# Altium PCB OCP-TimeCardMini-TI_V1.PcbDoc (part 1 of 11) (continued)
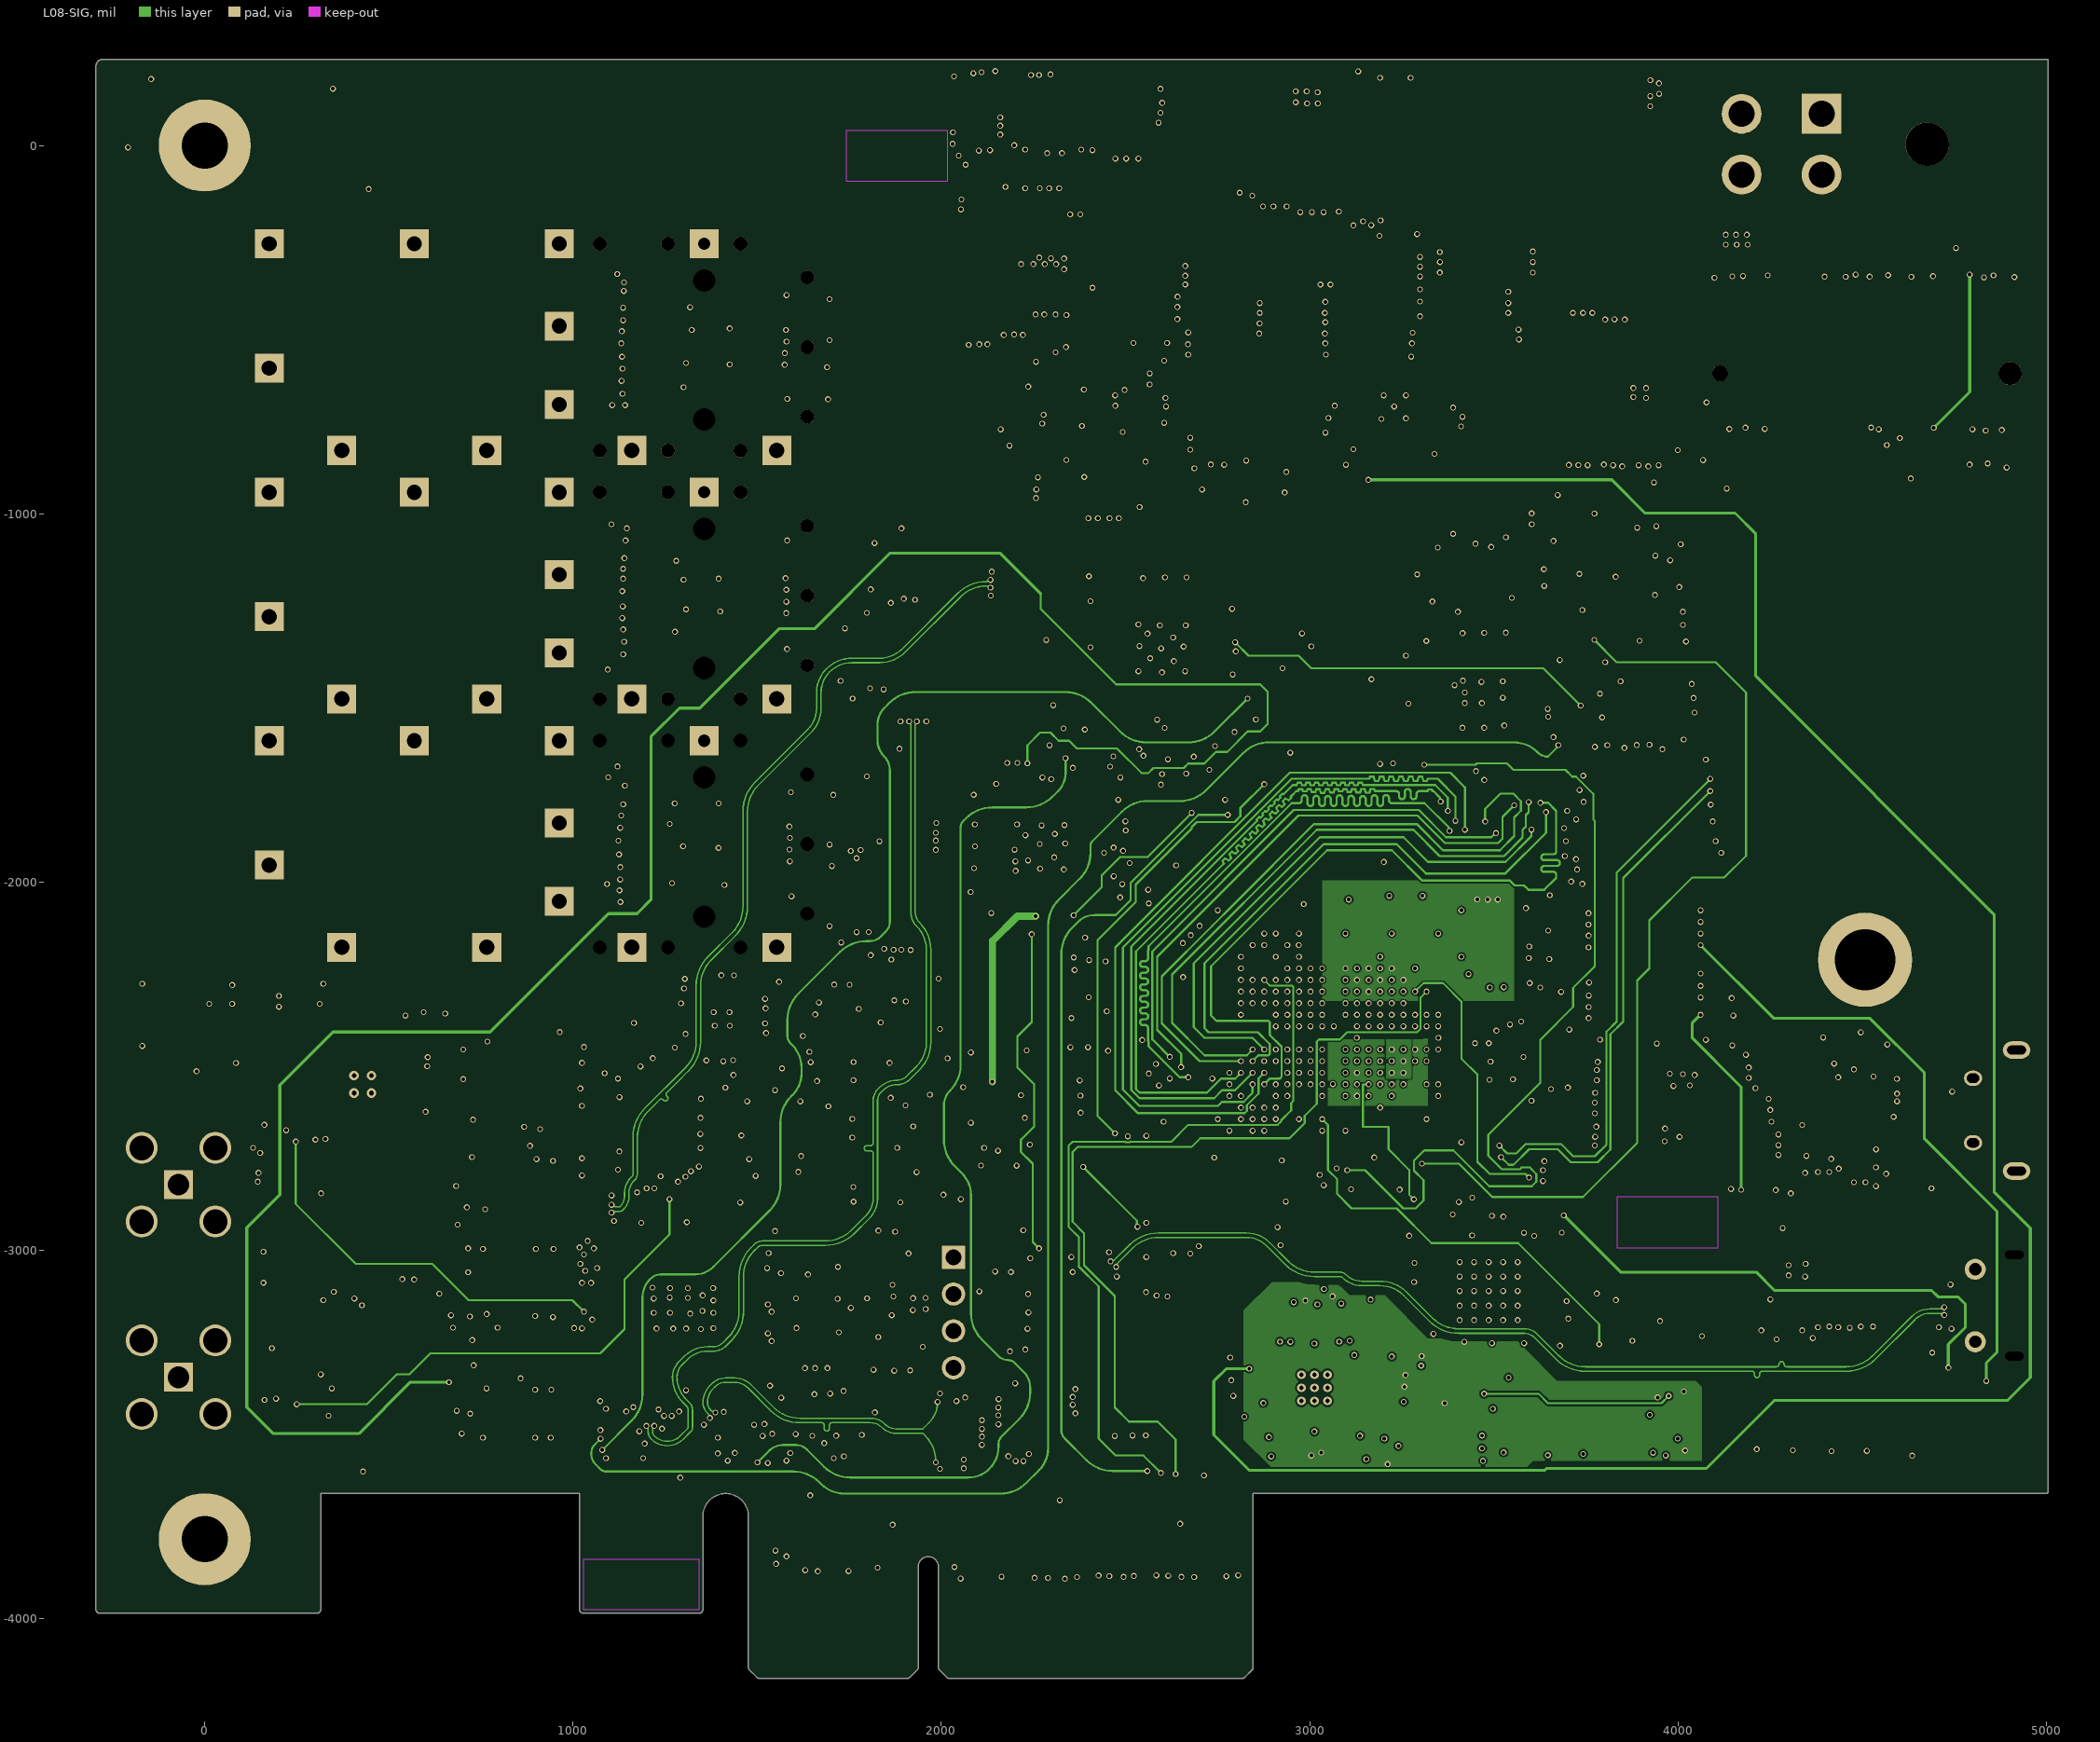
[diagram p8: L08-SIG]
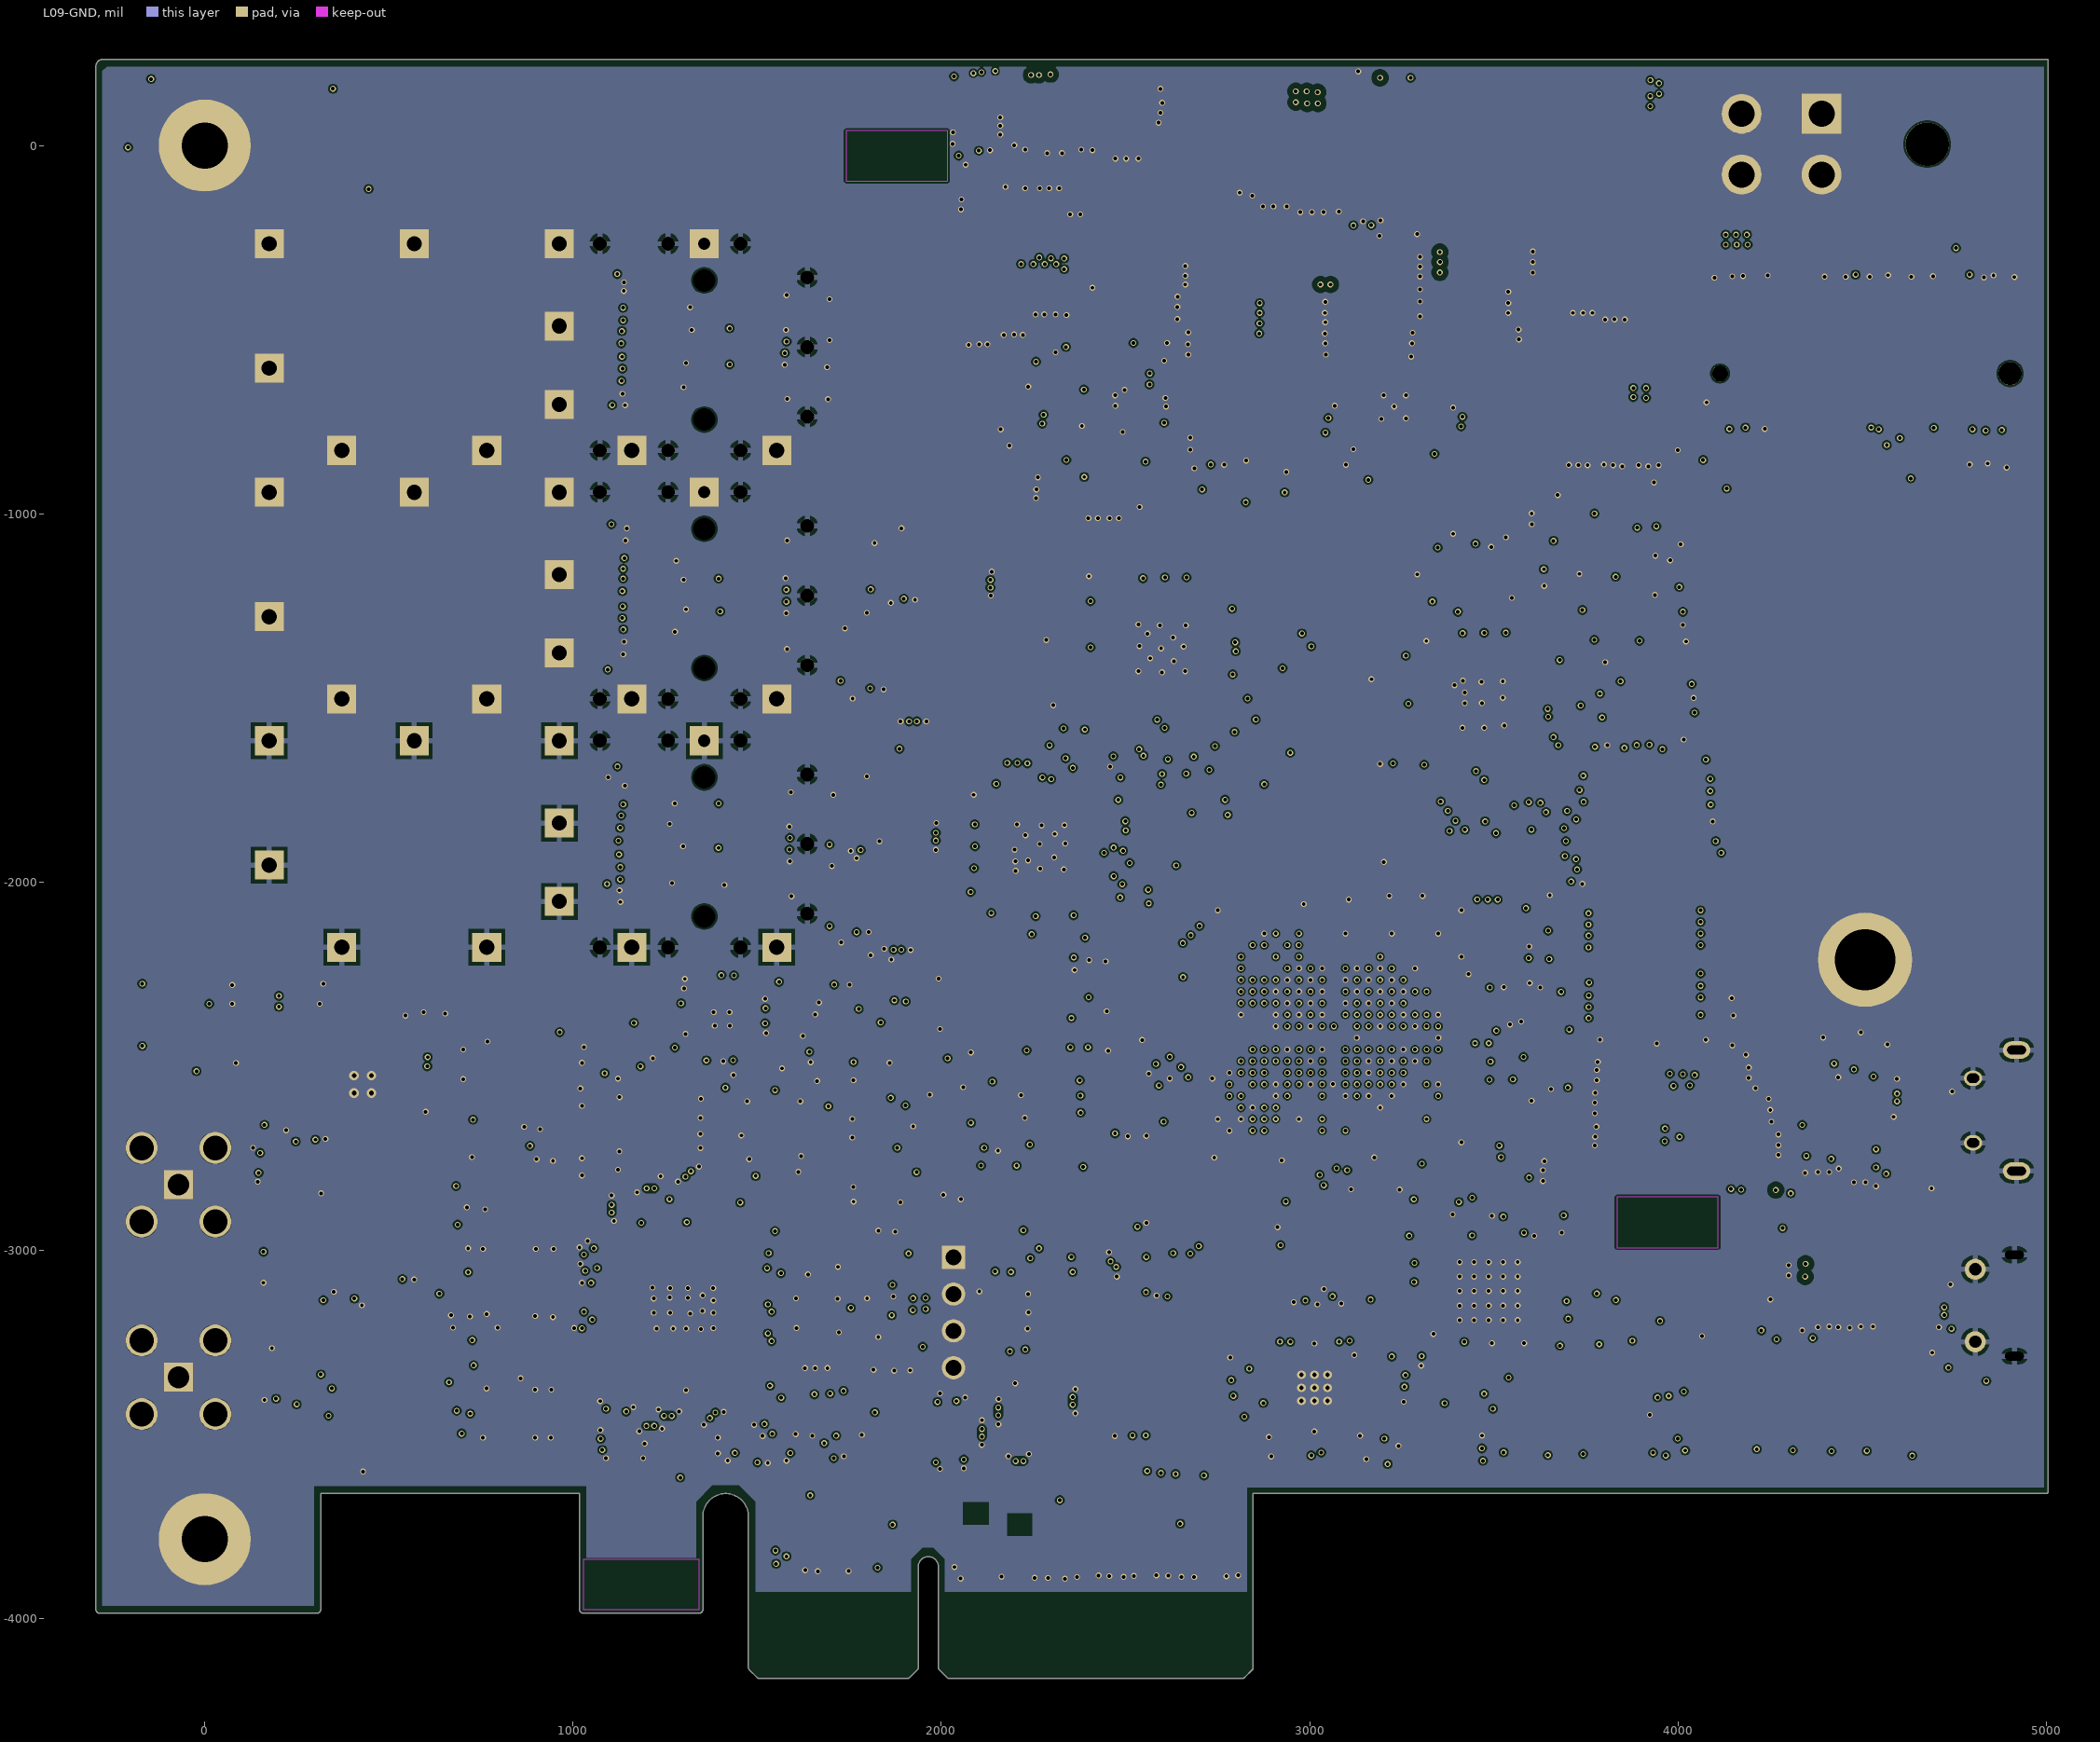
[diagram p9: L09-GND]

## Layer stack, top to bottom
Top Solder: solder mask 0.4, Solder Resist, Dk 3.5
L01-TOP: signal copper 1.378
Dielectric 1: prepreg 4.724, FR-4, Dk 4.29
L02-GND: signal copper 1.378
Dielectric 2: core 7.874, PP-006, Dk 4.29
L03-SIG: signal copper 1.378
Dielectric 5: prepreg 7.48, PP-006, Dk 4.29
L04-GND: signal copper 1.378
Dielectric 7: core 7.874, PP-006, Dk 4.29
L05-PWR: signal copper 1.378
Dielectric3: prepreg 7.48, FR-4, Dk 4.29
L06-PWR: signal copper 1.378
Dielectric 8: core 7.874, PP-006, Dk 4.29
L07-GND: signal copper 1.378
Dielectric 6: prepreg 7.48, PP-006, Dk 4.29
L08-SIG: signal copper 1.378
Dielectric 4: core 7.874, PP-006, Dk 4.29
L09-GND: signal copper 1.378
Dielectric 3: prepreg 4.724, FR-4, Dk 4.29
L10-BOT: signal copper 1.378
Board Layer Stack Bottom Solder: solder mask 0.4, Solder Resist, Dk 3.5

## Board outline
1017.54,-3974.9 ccw(c1027.56,-3974.9) 1027.56,-3984.91 1342.52,-3984.91 ccw(c1342.52,-3974.9) 1352.54,-3974.9 1352.54,-3721.94 cw(c1414.37,-3721.94) 1476.2,-3721.94 1476.2,-3721.99 1476.2,-4132.38 ccw(c1486.22,-4132.38) 1479.14,-4139.46 1498.82,-4159.15 ccw(c1505.91,-4152.06) 1505.91,-4162.08 1907.48,-4162.08 ccw(c1907.48,-4152.06) 1914.56,-4159.15 1934.25,-4139.46 ccw(c1927.17,-4132.38) 1937.18,-4132.38 1937.18,-3858.76 cw(c1964.57,-3858.76) 1991.95,-3858.76 1991.95,-4132.38 ccw(c2001.97,-4132.38) 1994.89,-4139.46 2014.57,-4159.15 ccw(c2021.65,-4152.06) 2021.65,-4162.08 2816.93,-4162.08 ccw(c2816.93,-4152.06) 2824.01,-4159.15 2843.7,-4139.46 ccw(c2836.61,-4132.38) 2846.63,-4132.38 2846.63,-3660.11 5000,-3660.11 ccw(c5000,-3655.1) 5005.01,-3655.1 5005.01,233.94 -277.05,233.94 ccw(c-277.05,215.54) -295.45,215.54 -295.45,-3974.9 ccw(c-285.43,-3974.9) -285.43,-3984.91 305.12,-3984.91 ccw(c305.12,-3974.9) 315.13,-3974.9 315.13,-3660.11 1017.54,-3660.11

## Design rules (kind name [scope] priority, off if disabled: settings)
BoardOutlineClearance [All] p1: gap=12 ignorepadtopadclearanceinfootprint=FALSE
Clearance Clearance_BGA_1 [WithinRoom('BGA_Room')] p1: gap=4 ignorepadtopadclearanceinfootprint=FALSE
Clearance Clearance_12V [InNet('+12V') OR InNet('+12V_PCIE') OR InNet('P12V')] p2: gap=15 ignorepadtopadclearanceinfootprint=TRUE
Clearance DiffPairClearance [(InDifferentialPairClass('All Differential Pairs'))] p3: gap=5 ignorepadtopadclearanceinfootprint=TRUE except(20: Arc-Fill Arc-Poly Arc-Region Track-Fill Track-Poly Track-Region)
Clearance Clearance_PCIE [InDifferentialPairClass('PCIE')] p4: gap=5 ignorepadtopadclearanceinfootprint=FALSE
Clearance [All] p5: gap=5 ignorepadtopadclearanceinfootprint=TRUE
ComponentClearance [All] p1: gap=10 collisioncheckmode=3 verticalgap=2 showdistances=FALSE
DiffPairsRouting DiffPair_100ohm [InDifferentialPairClass('All Differential Pairs')] p1: maxlimit=10 minlimit=3.91 mostfreqgap=5.5 toplayer_mingap=5.49 toplayer_maxgap=5.49 toplayer_prefgap=5.49 toplayer_minwidth=6 toplayer_maxwidth=6 toplayer_prefwidth=6 midlayer2_mingap=8.05 midlayer2_maxgap=8.05 midlayer2_prefgap=8.05 midlayer2_minwidth=4 midlayer2_maxwidth=4 midlayer2_prefwidth=4 midlayer8_mingap=8.05 midlayer8_maxgap=8.05 midlayer8_prefgap=8.05 midlayer8_minwidth=4 midlayer8_maxwidth=4 midlayer8_prefwidth=4 bottomlayer_mingap=5.49 bottomlayer_maxgap=5.49 bottomlayer_prefgap=5.49 bottomlayer_minwidth=6 bottomlayer_maxwidth=6 bottomlayer_prefwidth=6 impedanceprofiledriven=TRUE impedanceprofileid={54E60DE2-01EA-496C-94D2-6AE08175C5F2} impedanceprofilevalue=100.000000 maxuncoupledlength=500
HoleSize [All] p1: absolutevalues=TRUE maxlimit=1000 minlimit=8 maxpercent=80.000 minpercent=20.000
MatchedLengths RGMII1_TX [InNet('CPSW_RGMII1_TXC') OR InNet('CPSW_RGMII1_TX_CTL') OR InNet('CPSW_RGMII1_TD0') OR InNet('CPSW_RGMII1_TD1') OR InNet('CPSW_RGMII1_TD2') OR InNet('CPSW_RGMII1_TD3')] p1: tolerance=200 checknetsindiffpair=FALSE checkdiffpairvsdiffpair=TRUE checkxsignals=TRUE checkothers=TRUE
MatchedLengths RGMII1_RX [InNet('CPSW_RGMII1_RXC') OR InNet('CPSW_RGMII1_RX_CTL') OR InNet('CPSW_RGMII1_RD0') OR InNet('CPSW_RGMII1_RD1') OR InNet('CPSW_RGMII1_RD2') OR InNet('CPSW_RGMII1_RD3')] p2: tolerance=200 checknetsindiffpair=FALSE checkdiffpairvsdiffpair=TRUE checkxsignals=TRUE checkothers=TRUE
MatchedLengths PROG0_RGMII1_TX [InNet('PRG0_RGMII1_TXC') OR InNet('PRG0_RGMII1_TX_CTL') OR InNet('PRG0_RGMII1_TD0') OR InNet('PRG0_RGMII1_TD1') OR InNet('PRG0_RGMII1_TD2') OR InNet('PRG0_RGMII1_TD3')] p3: tolerance=200 checknetsindiffpair=FALSE checkdiffpairvsdiffpair=TRUE checkxsignals=TRUE checkothers=TRUE
MatchedLengths PROG0_RGMII1_RX [InNet('PRG0_RGMII1_RXC') OR InNet('PRG0_RGMII1_RX_CTL') OR InNet('PRG0_RGMII1_RD0') OR InNet('PRG0_RGMII1_RD1') OR InNet('PRG0_RGMII1_RD2') OR InNet('PRG0_RGMII1_RD3')] p4: tolerance=200 checknetsindiffpair=FALSE checkdiffpairvsdiffpair=TRUE checkxsignals=TRUE checkothers=TRUE
MatchedLengths PROG1_RGMII1_TX [InNet('PRG1_RGMII1_TXC') OR InNet('PRG1_RGMII1_TX_CTL') OR InNet('PRG1_RGMII1_TD0') OR InNet('PRG1_RGMII1_TD1') OR InNet('PRG1_RGMII1_TD2') OR InNet('PRG1_RGMII1_TD3')] p5: tolerance=200 checknetsindiffpair=FALSE checkdiffpairvsdiffpair=TRUE checkxsignals=TRUE checkothers=TRUE
MatchedLengths PROG1_RGMII1_RX [InNet('PRG1_RGMII1_RXC') OR InNet('PRG1_RGMII1_RX_CTL') OR InNet('PRG1_RGMII1_RD0') OR InNet('PRG1_RGMII1_RD1') OR InNet('PRG1_RGMII1_RD2') OR InNet('PRG1_RGMII1_RD3')] p6: tolerance=200 checknetsindiffpair=FALSE checkdiffpairvsdiffpair=TRUE checkxsignals=TRUE checkothers=TRUE
MatchedLengths DiffPairPNMatch [InDifferentialPairClass('All Differential Pairs')] p7: tolerance=3 checknetsindiffpair=TRUE checkdiffpairvsdiffpair=FALSE checkxsignals=FALSE checkothers=FALSE
MinimumSolderMaskSliver [All] p1 off: minsoldermaskwidth=1
PolygonConnect ATX_12V [InComponent('J38')] p1: connectstyle=Relief reliefconductorwidth=40 reliefentries=4 polygonreliefangle="90 Angle" airgapwidth=8
PolygonConnect SMA_GND_1 [(InComponent('J5') OR InComponent('J7') OR InComponent('J13') OR InComponent('AN1') OR InComponent('AN2') OR InComponent('P1')OR InComponent('J9')OR InComponent('P3')OR InComponent('J10')OR InComponent('J11')OR InComponent('J12') OR InComponent('J16') OR InComponent('J17') OR InComponent('J18') OR InComponent('J1'))] p2: connectstyle=Relief reliefconductorwidth=15 reliefentries=4 polygonreliefangle="90 Angle" airgapwidth=10
PolygonConnect [All] p3: connectstyle=Direct reliefconductorwidth=10 reliefentries=4 polygonreliefangle="90 Angle" airgapwidth=8
RoomDefinition BGA_Room [False vs False] p1: confinementstyle=ConfineIn formatcopy=TRUE lockcomponents=FALSE outline 3426.68,-2061.85 2735.68,-2061.85 2735.68,-2752.85 3426.68,-2752.85
RoomDefinition 03-USER_IO_STATUS [InComponentClass('03-USER_IO_STATUS')] p2: confinementstyle=ConfineIn formatcopy=TRUE lockcomponents=FALSE outline -6275.59,-9156 -4275.59,-9156 -4275.59,-8156 -6275.59,-8156
RoomDefinition 02-USER_IO [InComponentClass('02-USER_IO')] p3: confinementstyle=ConfineIn formatcopy=TRUE lockcomponents=FALSE outline -6275.59,-9156 -4275.59,-9156 -4275.59,-8156 -6275.59,-8156
RoutingVias [All] p1: holewidth=10 width=16 viastyle="Through Hole" minholewidth=5 minwidth=12 maxholewidth=28 maxwidth=50
SilkToSolderMaskClearance [IsPad] p1 off: minsilkscreentomaskgap=10 clearancetoexposedcopper=TRUE
SolderMaskExpansion [All] p1: expansion=4 istentingtop=FALSE
Width [All] p1: maxlimit=80 minlimit=3 preferedwidth=8 toplayer_minwidth=4 toplayer_maxwidth=40 toplayer_prefwidth=8 midlayer2_minwidth=4 midlayer2_maxwidth=40 midlayer2_prefwidth=5.58 midlayer8_minwidth=4 midlayer8_maxwidth=40 midlayer8_prefwidth=5.58 bottomlayer_minwidth=4 bottomlayer_maxwidth=40 bottomlayer_prefwidth=8 impedanceprofiledriven=TRUE impedanceprofileid={01EEFB83-325C-4167-8E9D-E60E7E24A12D} impedanceprofilevalue=50.000000 minimp=50.000000 maximp=50.000000 favimp=50.000000
25 further rules are at their usual default settings.

## Classes and differential pairs
differential pair class 100ohm: DPLL_CLKIN_2 DPLL_CLKIN_3 DPLL_CLKOUT2 DPLL_CLKOUT3 FTDI_USB FTDI_USB_R PCIE_GF_MCU_0 PCIE_MCU_GF_0 PCIE_REFCLK PHY_SFP0_1G PHY_SFP1_1G PHY_SFP2_1G SERDES0_REFCLK0 SERDES0_RX0 SERDES0_TX0 SFP0_PHY_1G SFP1_PHY_1G SFP1_RX SFP1_TX SFP2_PHY_1G SFP2_RX SFP2_TX
component class 22-TimingConnections: C443 C444 C445 C446 C447 C448 C449 C450 C451 C452 C453 C455 C456 P5 R73 R204 R205 R206 R207 R208 R209 R210 R211 R212 R213 R214 R215 R216 R217 R218 R219 R220 R221 R222 R223 R224 R225 R226 R227 R228 R229 R230 R231 R232 R233 R234 R235 R236 R237 R238 R239 R240 R253 R254 R255 R256 R257 R258 R259 R260 U36 U37 Y1 Y4 Y5 Y6
component class 20-AM64x-BootSelect: R188 R189 R190 R191 R192 R193 R194 R195 R196 R197 R198 R199 R200 R201 R202 R203
component class 19-AM64x-08: C411 C412 C413 C414 C415 C416 C417 C418 C419 C420 C421 C422 C423 C424 C425 C426 C427 C428 C429 C430 C431 C432 C433 C434 C435 C436 FB8 FB9 J11 R175 R176 R177 R178 R179 R180 R181 R182 R183 R184 R185 R186 R187 U33 U34 U35
component class 18-AM64x-07: C340 C341 C342 C343 C344 C345 C346 C347 C348 C349 C350 C351 C352 C353 C354 C355 C356 C357 C358 C359 C360 C361 C362 C363 C364 C365 C366 C367 C368 C369 C370 C371 C372 C373 C374 C375 C376 C377 C378 C379 C380 C381 C382 C383 C384 C385 C386 C387 C388 C389 C390 C391 C392 C393 C394 C395 C396 C397 C398 C399 C400 C401 C402 C403 C404 C405 C406 C407 C408 C409 C410 L23 L24 L25 L26 L27 L28 L29 L30 L31 R173 R174
component class 16-AM64x-05: C332 C333 C334 C335 C336 C337 C338 C339
component class 15-AM64x-04: C457 C458 C459 C460 C461 C462 C463 C464 FB10 J10 J12 R72 R172 R245 R246 R247 R248 R249 R250 U32 U39
component class 12-AM64x-01: P1 R66 R67 R68 U12
component class "07-1G Phy1": C303 C304 C305 C306 C307 C308 C309 C310 C311 C312 C313 C314 C315 C316 C317 C318 C319 C320 C321 C322 C323 C324 C325 C326 C327 C328 C329 C330 C331 R157 R158 R159 R160 R161 R162 R163 R164 R168 R169 R170 R171 R251 R252 U28 U29 U30 U31
component class "08-1G Phy2": C274 C275 C276 C277 C278 C279 C280 C281 C282 C283 C284 C285 C286 C287 C288 C289 C290 C291 C292 C293 C294 C295 C296 C297 C298 C299 C300 C301 C302 R145 R146 R147 R148 R149 R150 R151 R152 R153 R154 R155 R156 R243 R244 U24 U25 U26 U27
component class "06-1G Phy0": C245 C246 C247 C248 C249 C250 C251 C252 C253 C254 C255 C256 C257 C258 C259 C260 C261 C262 C263 C264 C265 C266 C267 C268 C269 C270 C271 C272 C273 R131 R132 R133 R134 R135 R136 R137 R138 R140 R141 R143 R144 R241 R242 U20 U21 U22 U23
component class "05-High Speed MUX": C233 C234 C235 C236 C237 C238 C239 C240 C241 C242 C243 C244 R109 R113 R114 R115 R116 R125 R129 R130 U16 U17 U18 U19
component class 21-M2_GNSS: C164 C165 C166 C167 C168 J2 R98 R99 R100 R101 R102
component class 11-DPLL-2: C77 C78 C79 C80 C81 C82 C83 C84 C85 C86 C87 C88 C89 C90 C91 C92 C93 C94 C95 C96 C97 C98 C99 C100 C101 C102 C103 C104 C105 C106 C107 C108 C109 C110 C111 C112 C113 C114 C115 C116 C117 C118 C119 C120 C121 C122 C123 C124 C125 C126 C127 C128 C129 C130 C131 C132 C133 C134 C135 C136 C137 C138 C139 C140 C141 C142 C143 C144 C145 C146 C147 C148 C149 C150 C151 C152 C153 C154 C155 C156 FB5 L2 L3 L4 L5 L6 L7 L8 L9 L10 L11 L12 L13 L14 L15 L16 L17 L18 L19 R79 R80 R81 R82 R83 R84 R87 R88 R89 Y2 Y3
component class 13-AM64x-02: C232 D5 P3 R69 R85 R96 R97 R103 R104 R105 U14 U15
component class 10-DPLL-1: C74 C75 C76 D4 P4 R58 R59 R70 R71 R74 R75 R76 R77 R78 R86 R106 R107 U7 U11
net class 50SE: NetR81_2
component class 25-Power-CPU: C62 C63 C64 C65 C66 C67 C68 C69 C71 C72 C73 C169 C170 C171 C172 C173 C174 C175 C176 C178 C179 C184 C185 C188 C189 C190 C191 C192 C193 C194 C195 C196 C197 C198 C199 C200 C201 C202 C203 C204 C205 C206 C207 C208 C209 C210 C211 C212 C213 C214 C215 C216 C217 C218 C219 C220 C221 C222 C223 C224 C225 C226 C227 C228 C229 C230 C231 L1 L21 L22 R37 R40 R41 R42 R43 R45 R46 R47 R48 R49 R50 R51 R52 R53 R54 R55 R56 R57 R60 R61 R63 R65 U6 U9 U10
component class 24-Power-P3V3_P1V8DPLL: C3 C53 C54 C55 C56 C57 C58 C59 C60 C61 C157 C158 C159 C160 C161 C162 C163 C177 C180 C181 C182 C183 C186 C187 D2 D12 L20 R30 R31 R32 R34 R90 R91 R92 R93 R94 R95 R139 R142 U5 U8
component class "04-Front Panel SFP+": C4 C5 C6 C7 C8 C9 C13 C14 C15 C16 C17 C18 C21 C22 C23 C24 C25 C27 C28 C30 C31 C32 C33 C34 C35 C38 C39 C40 C41 C42 C43 C48 C49 C50 C51 C52 FB1 FB2 FB3 FB4 FB6 FB7 J1 J5 J6 J7 J8 J9 R1 R2 R3 R4 R5 R6 R8 R9 R10 R11 R12 R13 R15 R16 R17 R18 R19 R21 R25 R26 R27 R28 R165 R166
component class "09-General I2C Devices": C36 C70 R20 R117 R118 R119 R120 R121 R123 R124 R126 R127 R128 R167 U3 U13
component class 03-USER_IO_STATUS: D3 D9 D10 D11 R35 R36 R38 R39
component class 01-PCIe: C44 C45 C46 C47 P2 R22 R23 R24
component class 02-USER_IO: AN1 AN2 C26 C29 D1 R14 R29 R33 R108 R110 R111 R112 R122 U1 U4
component class 23-POWER-P12V: C1 C2 C10 C11 C12 C19 C20 C37 CR1 D23 F1 J38 R7 R44 R62 R64 U2
differential pair NewDifferentialPair4: +NetC241_2 -NetC240_2
differential pair NewDifferentialPair3: +NetC234_2 -NetC235_2
differential pair NewDifferentialPair2: +NetC244_2 -NetC243_2
differential pair NewDifferentialPair1: +NetC237_2 -NetC238_2
differential pair DPLL_CLKOUT4: +DPLL_CLKOUT4_P -DPLL_CLKOUT4_N
differential pair DPLL_CLKIN_4: +DPLL_CLKIN_4_P -DPLL_CLKIN_4_N
differential pair CPU_USB: +USB0_DP -USB0_DM
differential pair PCIE_AC_CLOCK: +NetC44_1 -NetC45_1
differential pair PCIe_AC_CAP: +NetC46_1 -NetC47_1
differential pair SFP2_TX: +SFP2_TX_P -SFP2_TX_N
differential pair SFP2_RX: +SFP2_RX_P -SFP2_RX_N
differential pair SFP2_PHY_1G: +SFP2_PHY_1G_P -SFP2_PHY_1G_N
differential pair SFP1_PHY_1G: +SFP1_PHY_1G_P -SFP1_PHY_1G_N
differential pair SFP0_PHY_1G: +SFP0_PHY_1G_P -SFP0_PHY_1G_N
differential pair SERDES0_REFCLK0: +SERDES0_REFCLK0_P -SERDES0_REFCLK0_N
differential pair PHY_SFP2_1G: +PHY_SFP2_1G_P -PHY_SFP2_1G_N
differential pair PHY_SFP1_1G: +PHY_SFP1_1G_P -PHY_SFP1_1G_N
differential pair PHY_SFP0_1G: +PHY_SFP0_1G_P -PHY_SFP0_1G_N
differential pair PCIE_MCU_GF_0: +PCIE_MCU_GF_0_P -PCIE_MCU_GF_0_N
differential pair PCIE_GF_MCU_0: +PCIE_GF_MCU_0_P -PCIE_GF_MCU_0_N
differential pair FTDI_USB: +FTDI_USB_P -FTDI_USB_N
differential pair FTDI_USB_R: +FTDI_USB_R_P -FTDI_USB_R_N
differential pair DPLL_CLKOUT2: +DPLL_CLKOUT2_P -DPLL_CLKOUT2_N
differential pair DPLL_CLKIN_2: +DPLL_CLKIN_2_P -DPLL_CLKIN_2_N
differential pair SFP1_TX: +SFP1_TX_P -SFP1_TX_N
differential pair SFP1_RX: +SFP1_RX_P -SFP1_RX_N
differential pair DPLL_CLKOUT3: +DPLL_CLKOUT3_P -DPLL_CLKOUT3_N
differential pair DPLL_CLKIN_3: +DPLL_CLKIN_3_P -DPLL_CLKIN_3_N
differential pair PCIE_REFCLK: +PCIE_REFCLK_P -PCIE_REFCLK_N

## Components (designator, comment, footprint, x,y, rotation, side; value= is the part's Value field where it differs from the comment)
AN1 "RF2-49B-T-00-50-G-HDW" AMPH-901-143-6RFX_V -71.23,-2821.46 r90 top
AN2 "RF2-49B-T-00-50-G-HDW" AMPH-901-143-6RFX_V -71.23,-3344.28 r90 top
C1 "10uF_25V_1206" FP-MK316L-MFG 3006.09,-69.88 r270 top
C2 "0.1uF" CAPC1608X87X45ML20T05 2838.58,-59.06 r90 top
C3 "10uF_25V_1206" FP-1206-L_3_2_0_2-W_1_6_0-IPC_A 2496.88,94.78 r270 top
C4 "10uF_6.3V_0603" FP-C0603C106M9PACTU-MFG 1334.03,-1786.26 r180 bottom value=10uF
C5 "10uF_6.3V_0603" FP-C0603C106M9PACTU-MFG 1469.69,-403.54 r90 bottom value=10uF
C6 "4.7uF_10V_0603" CAPC1608X87X35NL15T15 1380.91,-442.91 r0 bottom
C7 "0.1uF_25V_0402" FP-0402-L_1_0_1-W_0_5_0_1-IPC_C 1369.43,-501.43 r180 bottom
C8 "10uF_6.3V_0603" FP-C0603C106M9PACTU-MFG 1635.83,-656.46 r0 bottom value=10uF
C9 "4.7uF_10V_0603" CAPC1608X87X35NL15T15 1525.68,-667.32 r90 bottom
C10 "100uF_16V_2917" FP-T495D107K016ATE125-MFG 2775.59,114.17 r0 top
C11 "4.7uF_50V_1206" FP-GRM31C-0_2-e0_3_0_8-IPC_C 2913.39,-73.62 r270 top
C12 "4.7uF_50V_1206" FP-GRM31C-0_2-e0_3_0_8-IPC_C 3192.57,-65.94 r270 top
C13 "0.1uF_25V_0402" FP-0402-L_1_0_1-W_0_5_0_1-IPC_C 1642.52,-612.2 r0 bottom
C14 "10uF_6.3V_0603" FP-C0603C106M9PACTU-MFG 1366.14,-594.49 r180 bottom value=10uF
C15 "4.7uF_10V_0603" CAPC1608X87X35NL15T15 1366.48,-655.41 r0 bottom
C16 "0.1uF_25V_0402" FP-0402-L_1_0_1-W_0_5_0_1-IPC_C 1454.72,-677.17 r270 bottom
C17 "10uF_6.3V_0603" FP-C0603C106M9PACTU-MFG 1651.38,-496.4 r0 bottom value=10uF
C18 "4.7uF_10V_0603" CAPC1608X87X35NL15T15 1530.97,-410 r270 bottom
C19 "0.1uF_0402" CAPC1005X56X25NL10T15 3022.21,11.6 r90 bottom
C20 "10uF_16V_0603" FP-0603-L_1_6_0_2-W_0_8_0-MFG 3069.11,20.67 r270 bottom
C21 "0.1uF_25V_0402" FP-0402-L_1_0_1-W_0_5_0_1-IPC_C 1634.03,-454.29 r0 bottom
C22 "10uF_6.3V_0603" FP-C0603C106M9PACTU-MFG 1436.3,-1343.97 r270 bottom value=10uF
C23 "4.7uF_10V_0603" CAPC1608X87X35NL15T15 1342.89,-1320.35 r0 bottom
C24 "0.1uF_25V_0402" FP-0402-L_1_0_1-W_0_5_0_1-IPC_C 1351.75,-1263.03 r180 bottom
C25 "10uF_6.3V_0603" FP-C0603C106M9PACTU-MFG 1510.53,-1346.16 r270 bottom value=10uF
C26 "0.1uF_25V_0402" FP-0402-L_1_0_1-W_0_5_0_1-IPC_C 314.04,-2669.33 r0 top
C27 "4.7uF_10V_0603" CAPC1608X87X35NL15T15 1599.27,-1329.33 r180 bottom
C28 "0.1uF_25V_0402" FP-0402-L_1_0_1-W_0_5_0_1-IPC_C 1651.38,-1275.02 r0 bottom
C29 "0.1uF_25V_0402" FP-0402-L_1_0_1-W_0_5_0_1-IPC_C 183.78,-3437.26 r180 top
C30 "10uF_6.3V_0603" FP-C0603C106M9PACTU-MFG 1438.19,-1098.05 r90 bottom value=10uF
C31 "4.7uF_10V_0603" CAPC1608X87X35NL15T15 1344.42,-1126.55 r0 bottom
C32 "0.1uF_25V_0402" FP-0402-L_1_0_1-W_0_5_0_1-IPC_C 1349.01,-1179.57 r180 bottom
C33 "10uF_6.3V_0603" FP-C0603C106M9PACTU-MFG 1510.53,-1099.5 r90 bottom value=10uF
C34 "4.7uF_10V_0603" CAPC1608X87X35NL15T15 1604.57,-1116.79 r180 bottom
C35 "0.1uF_25V_0402" FP-0402-L_1_0_1-W_0_5_0_1-IPC_C 1643.7,-1164.98 r0 bottom
C36 "0.1uF" CAPC1608X87X45ML20T05 3868.01,-1403.17 r0 top
C37 "47uF_25V_1206" FP-C3216-160-0_2-MFG 3095.68,-65.94 r270 top
C38 "4.7uF_10V_0603" CAPC1608X87X35NL15T15 1323.19,-1843.35 r0 bottom
C39 "0.1uF_25V_0402" FP-0402-L_1_0_1-W_0_5_0_1-IPC_C 1420.47,-1750.57 r90 bottom
C40 "10uF_6.3V_0603" FP-C0603C106M9PACTU-MFG 1544.47,-1754.77 r90 bottom value=10uF
C41 "4.7uF_10V_0603" CAPC1608X87X35NL15T15 1482.48,-1744.93 r270 bottom